# Altium PCB 1VAR_TOP.PcbDoc (part 2 of 4) (continued)
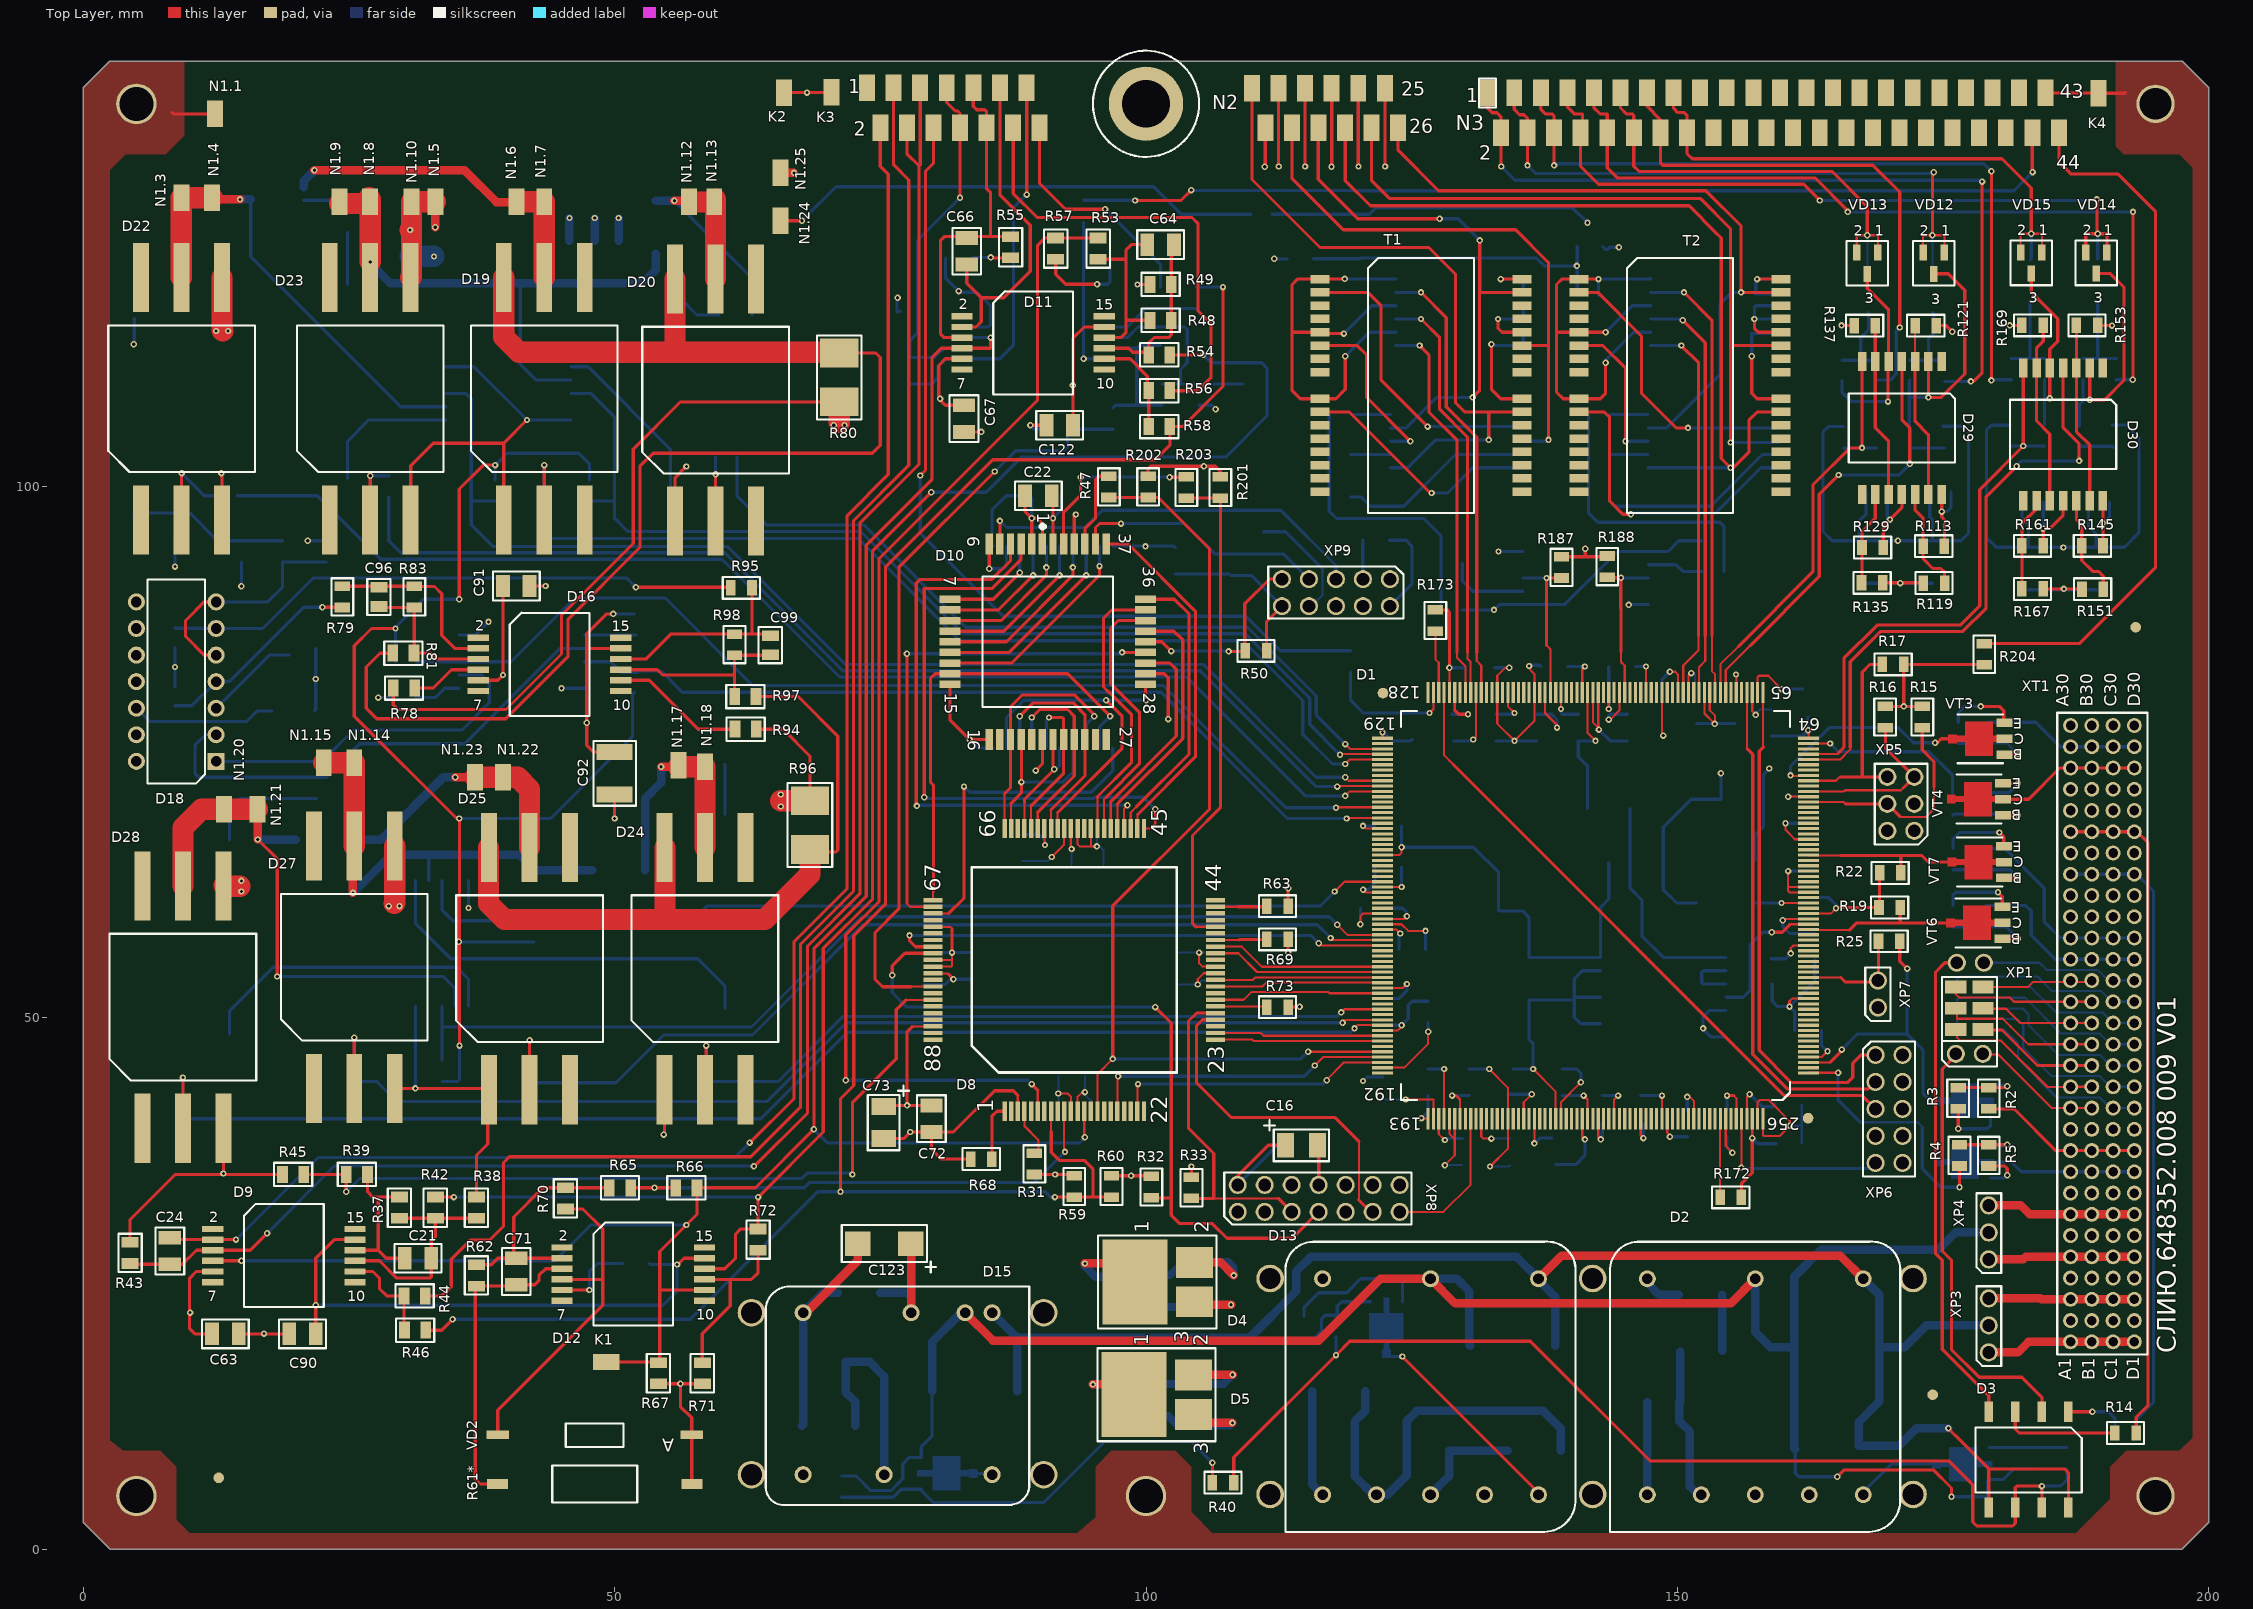
[diagram p0: Top Layer view]
## Nets (pads, with @x,y where several pads share a name; then routed paths per layer and width w, separated by ;. In a path a pad name is that pad's centre, name@x,y a point inside that pad or via, vN(x,y) a via of type N, cw(c..) or ccw(c..) an arc to the next point about the centre after c; other vN are vias at no path point) (continued)
  Top Layer w0.3: v1(85.25,92.25) D10.6@85.25,94.575
  Bottom Layer w0.3: v1(85.25,92.25) 86.625,92.25 86.875,92.5 D14.12@86.875,94.375
AD0_1: D8.67 D10.14 D14.2 | length 43.2
  Top Layer w0.2: D8.67@79.95,61.062 79.95,61.825 80,61.875
  Top Layer w0.3: 80,61.875 80,71.875 79.725,72.15 79.725,81.95 80.15,82.375 D10.14@81.55,82.375 92.625,82.375 v1(96.625,78.375)
  Bottom Layer w0.3: D14.2@95.625,75.375 95.625,77.375 v1(96.625,78.375)
AD1_1: D8.66 D10.18 D14.3 | length 24.2
  Top Layer w0.2: D8.66@86.687,67.8 86.687,71.062
  Top Layer w0.3: 86.687,71.062 87.25,71.625 D10.18@87.25,76.175 87.25,79.25 88.375,80.375 93.25,80.375 95.125,78.5 v1(95.125,78.375)
  Bottom Layer w0.3: D14.3@94.375,75.375 94.375,77.625 v1(95.125,78.375)
AD2_1: D8.65 D10.19 D14.4 | length 16.3
  Top Layer w0.2: D8.65@87.313,67.8 87.313,70.187
  Top Layer w0.3: 87.313,70.187 88.275,71.15 v1(88.275,72.175) 88.275,76.15 D10.19@88.25,76.175
  Bottom Layer w0.3: v1(88.275,72.175) 92.175,72.175 93.125,73.125 D14.4@93.125,75.375
AD3_1: D8.63 D10.22 D14.5 | length 12.1
  Top Layer w0.2: D8.63@88.563,67.8 88.563,70.27
  Top Layer w0.3: 88.563,70.27 88.563,70.563 v1@91.25,73.25 ; D10.22@91.25,76.175 v1@91.25,73.25 ; v1(91.375,73.375) v1@91.25,73.25
  Bottom Layer w0.3: v1(91.375,73.375) 91.375,73.25 91.875,73.75 D14.5@91.875,75.375
AD4_1: D8.62 D10.23 D14.6 | length 16
  Top Layer w0.2: D8.62@89.188,67.8 89.188,69.948
  Top Layer w0.3: 89.188,69.948 92.25,73.01 D10.23@92.25,76.175 92.25,78.125 92.125,78.25 v1(90.875,78.25)
  Bottom Layer w0.3: D14.6@90.625,75.375 90.625,78 v1(90.875,78.25)
AD5_1: D8.61 D10.24 D14.7 | length 19.5
  Top Layer w0.2: D8.61@89.813,67.8 89.813,69.313
  Top Layer w0.3: v1(89.25,78.25) 90,79 92.625,79 93.25,78.375 D10.24@93.25,76.175 93.25,72.75 91.475,70.975 91.441,70.975 89.813,69.347 89.813,69.313
  Bottom Layer w0.3: v1(89.25,78.25) 89.25,75.5 D14.7@89.375,75.375
AD6_1: D8.59 D10.25 D14.8 | length 22.1
  Top Layer w0.2: D8.59@91.063,67.8 91.063,69.562
  Top Layer w0.3: v1(88.125,78.375) 89.375,79.625 93.151,79.625 94.25,78.526 D10.25@94.25,76.175 94.25,72.75 91.063,69.562
  Bottom Layer w0.3: D14.8@88.125,75.375 v1(88.125,78.375)
AD7_1: D8.58 D10.28 D14.9 | length 33.4
  Top Layer w0.2: D8.58@91.688,67.8 91.688,69.313
  Top Layer w0.3: 91.688,69.313 97.75,75.375 97.75,78.375 v1(96.25,79.875) ; D10.28@99.95,81.375 99.95,79.925 v1(100,79.875)
  Bottom Layer w0.3: D14.9@86.875,75.375 86.875,78.25 88.5,79.875 v1(96.25,79.875) v1(100,79.875)
AD8_1: D8.52 D10.35 | length 26.5
  Top Layer w0.2: D8.52@95.437,67.8 95.437,70.688
  Top Layer w0.3: 95.437,70.688 95.437,70.812 98.625,74 98.625,78.561 96.561,80.625 96.5,80.625 96,81.125 96,87.574 96.801,88.375 D10.35@99.95,88.375
AD9_1: D8.51 D10.34 | length 24.9
  Top Layer w0.2: D8.51@96.062,67.8 96.062,70.562 96.25,70.75
  Top Layer w0.3: 96.25,70.75 96.3,70.8 96.3,70.808 99.375,73.883 99.375,78.75 96.65,81.475 96.65,86.625 97.4,87.375 D10.34@99.95,87.375
AD10_1: D8.50 D10.30 | length 23.2
  Top Layer w0.2: D8.50@96.675,67.812 96.675,69.872 ; D8.50@96.687,67.8 96.687,69.885 ; 96.675,69.872 96.687,69.885 ; 96.675,69.872 96.675,70.325 96.687,70.313 96.687,69.885
  Top Layer w0.3: 96.674,70.326 96.9,70.551 96.9,70.559 102.85,76.509 102.85,82.775 102.25,83.375 D10.30@99.95,83.375
AD11_1: D8.49 D10.33 | length 24.1
  Top Layer w0.2: D8.49@97.312,67.8 97.312,70.008
  Top Layer w0.3: 97.312,70.008 97.312,70.115 97.5,70.303 97.5,70.311 103.45,76.261 103.45,85.55 102.625,86.375 D10.33@99.95,86.375
AD12_1: D8.48 D10.4 | length 54.5
  Top Layer w0.2: D8.48@97.937,67.8 97.937,69.687 v1(98.25,70)
  Top Layer w0.3: v1(78.437,69.938) 78.375,70 78.375,90.875 78.75,91.25 85.5,91.25 87.25,93 D10.4@87.25,94.575
  Bottom Layer w0.3: v1(78.437,69.938) 78.5,70 v1(98.25,70)
AD13_1: D8.47 D10.36 | length 27.1
  Top Layer w0.2: D8.47@98.562,67.8 98.562,69.312 99.096,69.846
  Top Layer w0.3: 99.096,69.846 104.05,74.8 104.05,88.001 102.676,89.375 D10.36@99.95,89.375
AD14_1: D8.46 D10.37 | length 33.8
  Top Layer w0.2: D8.46@99.187,67.8 99.187,69.16
  Top Layer w0.3: D10.37@96.25,94.575 98.325,94.575 104.65,88.25 104.65,74.551 99.223,69.124
AD15_1: D8.45 D10.3 | length 56.3
  Top Layer w0.2: D8.45@99.812,67.8 100.425,67.8 100.875,68.25 v1(100.875,69.625)
  Top Layer w0.3: v1(79.125,70.75) 79.125,90.375 85.5,90.375 88.25,93.125 D10.3@88.25,94.575
  Bottom Layer w0.3: v1(79.125,70.75) 79.25,70.625 95.099,70.625 95.224,70.75 99.75,70.75 v1(100.875,69.625)
ADC_MID: D8.8 R36.2 R46.2 R58.2 R59.1 R60.2 | length 193.4
  Top Layer w0.2: D8.8@91.063,41.2 91.078,41.185 91.078,39.297
  Top Layer w0.3: R46.2@32.225,20.6 33.725,20.6 v1(34.75,21.625) ; v1(71.25,33.625) 71.25,42.375 72.5,43.625 72.5,57.697 75.475,60.672 75.475,92.4 85.575,102.5 100.875,102.5 102.25,103.875 R58.2@102.25,105.625 103.45,105.625 107.25,109.425 v1(107.25,118.75) ; 91.078,39.297 91.078,37.35 91.853,36.575 94.2,36.575 95,35.775 95,33.125 ; v1(91.425,33.125) R59.1@93.25,33.125 95,33.125 ; R60.2@96.75,33.125 95,33.125
  Bottom Layer w0.3: v1(34.75,21.625) 57.125,21.625 69.125,33.625 v1(71.25,33.625) 90.53,33.625 91.03,33.125 v1(91.425,33.125) ; R36.2@104.75,118.75 v1(107.25,118.75)
ADDR1: D1.52 R15.1 XP5.4 | length 20.8
  Top Layer w0.2: D1.52@162.35,70.3 165.65,70.3 165.825,70.125 ; 170.93,68.95 171.005,68.875 173.375,68.875 174.15,69.65 174.15,71.725
  Top Layer w0.3: 165.825,70.125 XP5.4@169.755,70.125 170.93,68.95 ; R15.1@173.05,77.3 173.05,75.2 174.15,74.1 174.15,71.725
ADDR2: D1.54 R16.1 XP5.5 | length 16.3
  Top Layer w0.2: D1.54@162.35,71.3 165.675,71.3 165.775,71.4 171.03,71.4 171.25,71.62
  Top Layer w0.3: R16.1@169.55,77.3 169.575,77.275 169.575,75.385 XP5.5@172.295,72.665 171.25,71.62
ADDR3: D1.56 R17.1 XP5.6 | length 19.7
  Top Layer w0.2: D1.56@162.35,72.3 164.925,72.3 165.29,72.665
  Top Layer w0.3: 165.29,72.665 167.51,72.665 ; R17.1@169.3,83.25 168.125,83.25 167.4,82.525 167.4,72.775 167.51,72.665 ; XP5.6@169.755,72.665 167.51,72.665
ALE_1: D8.69 D14.1 | length 31.2
  Top Layer w0.2: D8.69@79.95,59.812 81.438,59.812
  Top Layer w0.3: 81.438,59.812 82.875,61.25 v1(82.875,71.75)
  Bottom Layer w0.3: v1@82.875,71.775 83.425,71.225 94.85,71.225 96.875,73.25 D14.1@96.875,75.375
CASE: C6.1 D2.8 D13.8 K2.1 K3.1 K4.1 N1.1.1 N3.43 pad.mh XT1.30 XT1.60 XT1.90 XT1.120 | length 19.6
  Top Layer w0.3: 8.35,135.175 8.475,135.05 N1.1.1@12.4,135.05 ; K2.1@65.95,137.05 v1(68.1,137.05) 70.375,137.05 K3.1@70.4,137.075 ; N3.43@184.65,137.025 189.6,137.025 K4.1@189.625,137 192.1,137 192.15,137.05
  Bottom Layer w0.8: D2.8@147.175,25.12 147.175,25.05 148.3,23.925 C6.1@150.125,23.925
CLK: D1.33 G1.3 | length 5
  Top Layer w0.2: v1(159.799,60.8) D1.33@162.35,60.8
  Bottom Layer w0.3: G1.3@157.3,60.8 v1(159.799,60.8)
CLKCPU: D1.168 D8.74 | length 47.8
  Top Layer w0.2: v1(116.25,57) 116.45,56.8 D1.168@122.25,56.8
  Top Layer w0.3: v1(77.75,57.75) 77.75,57.25 78.313,56.687 D8.74@79.95,56.687
  Bottom Layer w0.3: v1(77.75,57.75) 115.5,57.75 v1(116.25,57)
DBGNMI: D8.75 R32.2 XP8.7 | length 70
  Top Layer w0.3: v1(76.125,54) 76.125,54.875 77.312,56.062 D8.75@79.95,56.062 ; R32.2@100.5,33.025 102.375,33.025 ; v1(100.875,51) 102.375,49.5 102.375,33.025 ; XP8.7@116.25,31.73 116.23,31.73 113.75,29.25 107.625,29.25 106.25,30.625 103.175,30.625 102.375,31.425 102.375,33.025
  Bottom Layer w0.3: v1(76.125,54) 76.125,52.375 77.5,51 v1(100.875,51)
DBGRXD0: D8.27 R33.2 XP8.5 | length 30.5
  Top Layer w0.2: 106.375,33 112.44,33
  Top Layer w0.3: R33.2@104.275,33 106.375,33 106.375,37.225 104,39.6 104,49.688 104.75,50.438 D8.27@106.55,50.438 ; 112.44,33 XP8.5@113.71,31.73
DBGTXD0: D8.26 XP8.11 | length 32.3
  Top Layer w0.2: 120,32.875 120.04,32.915 120.04,38.335 120.012,38.363
  Top Layer w0.3: D8.26@106.55,49.813 105.312,49.813 104.75,49.25 104.75,43.875 108,40.625 117.75,40.625 120.012,38.363 ; 120,32.875 121.145,31.73 XP8.11@121.33,31.73
DIR1: D1.28 R19.2 VT6.C | length 20
  Top Layer w0.2: D1.28@162.35,58.3 162.4,58.25 166.2,58.25 166.225,58.275
  Top Layer w0.3: 166.225,58.275 166.875,58.925 170.975,58.925 ; R19.2@170.975,60.375 170.975,58.925 ; VT6.C@180.58,58.925 170.975,58.925
DIR2: D1.42 R22.2 VT7.C | length 20.3
  Top Layer w0.2: D1.42@162.35,65.3 162.375,65.275 165.375,65.275
  Top Layer w0.3: 165.375,65.275 171.075,65.275 ; R22.2@171.025,63.625 171.025,65.225 171.075,65.275 ; VT7.C@180.73,64.65 173.6,64.65 172.975,65.275 171.075,65.275
FOUT1: D1.132 D21.11 R88.1 | length 99.9
  Top Layer w0.2: v1(118.25,74.75) 118.3,74.8 D1.132@122.25,74.8
  Bottom Layer w0.3: D21.11@45.9,108.75 47.75,108.75 50,106.5 50,98.75 ; R88.1@47.625,98.625 49.875,98.625 50,98.75 ; v1(118.25,74.75) 115.4,77.6 115.4,80.049 109.324,86.125 82.794,86.125 73.169,95.75 51.25,95.75 50,97 50,98.75
FOUT2: D1.137 D21.4 R89.1 | length 112.5
  Top Layer w0.2: v1(118.75,72.625) 119.075,72.3 D1.137@122.25,72.3
  Bottom Layer w0.3: D21.4@34.1,108.75 36,108.75 36.5,108.25 36.5,98.625 ; R89.1@38.75,98.625 36.5,98.625 ; v1(118.75,72.625) 115.997,72.625 105.372,83.25 71.7,83.25 60.6,94.35 38.525,94.35 36.5,96.375 36.5,98.625
FOUT3: D1.166 D26.11 R104.1 | length 98.6
  Top Layer w0.2: v1(118,58.75) 118.95,57.8 D1.166@122.25,57.8
  Bottom Layer w0.3: R104.1@33.75,46 33.75,49.125 ; D26.11@33.75,51.1 33.75,49.125 ; v1(118,58.75) 117.25,59.5 73.25,59.5 62.875,49.125 33.75,49.125
FOUT4: D1.156 D26.4 R103.1 | length 93.2
  Top Layer w0.2: v1(117.75,61.875) 118.675,62.8 D1.156@122.25,62.8
  Bottom Layer w0.3: D26.4@33.75,62.9 33.75,60.15 34.775,59.125 R103.1@42.4,59.125 57.275,59.125 58.65,60.5 116.375,60.5 v1(117.75,61.875)
GND: C3.minus C4.1 C5.2 C7.minus C8.1 C9.minus C10.minus C11.1 C12.minus C13.2 C14.1 C15.1 C16.minus C17.1 C20.2 C22.1 C23.minus C25.1 C26.1 C27.1 C28.1 C29.1 C30.1 C31.1 C32.1 C33.1 C34.1 C35.1 C36.1 C37.1 C38.1 C39.1 C40.1 C41.1 C42.1 C43.1 C44.1 C45.1 C46.1 C47.1 C48.1 C49.1 C50.1 C51.1 C52.1 C53.1 C54.1 C55.1 C56.1 C57.1 C58.1 C59.1 C60.1 C61.1 C62.2 C63.2 C67.2 C70.1 C72.1 C73.minus C74.2 C75.2 C76.2 C77.minus C78.2 C79.minus C80.2 C81.minus C82.2 C83.minus C84.1 C85.minus C87.2 C88.plus C89.1 C90.1 C100.1 C102.1 C104.1 C106.1 C108.1 C110.1 C112.1 C114.1 C120.1 C121.1 C122.1 D1.15 D1.35 D1.36 D1.45 D1.64 D1.75 D1.76 D1.84 D1.87 D1.96 D1.97 D1.98 D1.108 D1.115 D1.119 D1.129 D1.146 D1.157 D1.162 D1.164 D1.176 D1.196 D1.197 D1.198 D1.208 D1.217 D1.218 D1.222 D1.228 D1.237 D1.238 D1.249 D1.255 D1.256 D2.2 D4.3 D5.3 D6.5 D6.7 D6.9 D6.11 D6.13 D8.3 D8.12 D8.34 D8.53 D8.55 D8.57 D8.71 D8.76 D8.77 D10.1 D10.2 D10.15 D10.16 D10.21 D10.29 D10.40 D12.6 D13.2 D14.10 D14.11 D17.6 D17.13 D19.1 D20.1 D21.6 D21.13 D22.3 D23.3 D24.1 D25.1 D26.6 D26.13 D27.3 D28.3 D34.6 D34.13 G1.2 N1.25.1 N3.3 N3.4 N3.7 N3.8 N3.11 N3.12 N3.15 N3.16 R3.1 R5.2 R8.1 R10.2 R21.1 R24.1 R27.1 R30.2 R32.1 R33.1 R35.1 R38.1 R43.2 R45.1 R49.1 R50.1 R51.1 R52.1 R55.2 R57.1 R60.1 R61*.1 R63.2 R67.2 R68.1 R71.2 R73.1 R119.1 R135.1 R151.1 R167.1 VD2.A VD12.1 VD12.2 VD13.1 VD13.2 VD14.1 VD14.2 VD15.1 VD15.2 VT1.E VT2.E VT3.E VT4.E VT6.E VT7.E XP5.1 XP5.2 XP5.3 XP6.2 XP6.10 XP7.1 XP8.6 XP8.8 XP8.10 XP8.12 XP8.14 XP9.2 XP9.4 XP9.6 XP9.8 XP9.10 XT1.21 XT1.27 XT1.51 XT1.57 XT1.81 XT1.87 XT1.111 XT1.117 | length 938.2
  Top Layer w0.2: D8.77@79.95,54.812 81.687,54.812 81.75,54.875 81.75,55.437 ; D8.76@79.95,55.437 81.75,55.437 ; D8.71@79.95,58.562 79.965,58.547 81.578,58.547 81.75,58.375 ; v1(81.75,56.125) 81.75,55.437 ; D8.3@87.938,41.2 87.938,42.687 ; v1(91.125,65.125) 92.3,66.3 92.3,67.787 D8.57@92.313,67.8 ; D8.12@93.562,41.2 93.562,42.562 94,43 v1(94.25,43) ; D8.55@93.562,67.8 93.562,66.313 93.75,66.125 94.85,66.125 ; D8.53@94.812,67.8 94.812,66.163 94.85,66.125 ; v1(95.375,66.125) 94.85,66.125 ; v1(105,56.125) 105,55.125 105.298,54.828 106.535,54.828 D8.34@106.55,54.812 ; v1(120.175,58.8) 120.175,59.55 120.425,59.8 D1.162@122.25,59.8 ; v1(120.425,68.05) 120.675,67.8 D1.146@122.25,67.8 ; D1.176@122.25,52.8 124.175,52.8 v1(124.55,53.175) ; D1.164@122.25,58.8 124.038,58.8 124.663,58.175 v1(126.3,58.175) ; D1.157@122.25,62.3 v1(124.05,62.3) ; D1.129@122.25,76.3 v1(122.25,76.85) ; D1.196@128.05,40.5 v1(128.05,45.175) ; v1(128.125,36.125) 129.05,37.05 129.05,38.575 ; D1.197@128.55,40.5 128.55,39.075 129.05,38.575 ; D1.198@129.05,40.5 129.05,38.575 ; v1(130.8,76.175) 131.05,76.425 D1.119@131.05,80.6 ; v1(132.3,45.175) 134.05,43.425 D1.208@134.05,40.5 134.05,37.675 v1(132.375,36) ; v1(134.175,82.925) 133.8,82.925 133.05,82.175 133.05,77.675 v1(134.675,76.05) 136.55,77.925 136.55,82.35 135.926,82.974 v1(136.051,83.099) ; v1(136.425,45.175) 138.55,43.05 D1.217@138.55,40.5 ; D1.218@139.05,40.5 139.05,42.05 v1(140.925,43.925) ; D1.222@141.05,40.5 141.05,38.8 v1(141.3,38.55) ; D1.98@141.55,80.6 141.55,76.8 v1(142.3,76.05) ; D1.97@142.05,80.6 142.05,77.8 v1@142.55,77.3 ; D1.96@142.55,80.6 v1@142.55,77.3 ; v1(142.612,77.112) 142.55,77.175 v1@142.55,77.3 ; D1.228@144.05,40.5 144.05,42.3 v1(144.425,42.675) ; D1.87@147.05,80.6 v1(147.05,83.05) ; D1.237@148.55,40.5 v1(148.55,42.675) ; D1.84@148.55,80.6 148.55,76.675 v1(148.675,76.55) ; D1.238@149.05,40.5 149.05,39.175 149.301,38.924 v1(149.301,38.8) ; D1.76@152.55,80.6 152.55,78.625 v1(153.525,77.65) 153.525,78.45 153.05,78.925 D1.75@153.05,80.6 ; D1.249@154.55,40.5 154.55,37.925 v1(155.175,37.3) ; D1.255@157.55,40.5 157.55,42.05 157.775,42.275 158.575,42.275 160.587,40.263 v1(160.587,39.837) 159.625,38.875 158.125,38.875 158.05,38.95 D1.256@158.05,40.5 ; v1(160.175,68.3) 160.175,67.675 161.05,66.8 D1.45@162.35,66.8 ; v1(160.425,63.8) 160.425,62.3 ; 160.55,51.55 160.8,51.8 D1.15@162.35,51.8 ; D1.35@162.35,61.8 160.55,61.8 160.425,61.925 160.425,62.3 ; D1.36@162.35,62.3 160.425,62.3 ; D1.64@162.35,76.3 v1@162.35,77 ; VD13.2@166.875,122 166.875,123.625 v1(167.875,123.625) 168.875,123.625 VD13.1@168.875,122 ; VD12.2@173.125,122 173.125,123.625 v1(174,123.625) 175.125,123.625 VD12.1@175.125,122 ; VD15.2@182.3,122.025 182.3,123.775 v1(183.3,123.775) 184.3,123.775 VD15.1@184.3,122.025
  Top Layer w0.3: R43.2@4.4,28.875 4.4,31 8.65,35.25 v1@13.275,35.25 ; v1(13,101.25) 13.06,101.19 D22.3@13.06,96.85 ; D28.3@13.185,39.6 v1(13.185,35.34) v1@13.275,35.25 ; C63.2@14.625,20.25 C90.1@19.375,20.25 ; R45.1@18.75,35.25 v1@13.275,35.25 ; D27.3@29.31,43.35 38.065,43.35 38.065,38.115 37,37.05 R38.1@37,33.125 ; D23.3@30.81,96.85 30.81,101.935 32.94,104.065 39.565,104.065 ; D19.1@39.565,96.85 39.565,104.065 ; v1(41.75,106.25) 39.565,104.065 ; D12.6@45.05,24.375 v1(47.625,24.375) ; R67.2@54.125,15.55 v1(56.188,15.55) ; v1(54.625,39) 54.69,39.065 D24.1@54.69,43.225 ; D20.1@55.69,96.725 55.69,100.815 v1(56.75,101.875) ; R61*.1@57.275,6.125 57.25,6.15 VD2.A@57.25,10.75 57.25,12.35 56.188,13.413 v1(56.188,15.55) ; R71.2@58.25,15.55 v1(56.188,15.55) ; C73.minus@75.313,38.625 77.188,38.625 v1(77.812,39.25) C72.1@79.812,39.25 ; D10.15@81.55,81.375 81.55,78.025 v1(83.4,76.175) D10.16@85.25,76.175 ; v1(81.75,56.125) 81.75,58.375 ; C67.2@82.875,105.125 v1(84.5,105.125) ; R68.1@83.5,36.7 80.75,36.7 79.812,37.637 C72.1@79.812,39.25 ; v1(85.4,121.55) 85.45,121.5 R55.2@87.25,121.5 ; 87.938,42.687 87.5,43.125 85.75,43.125 81.875,39.25 C72.1@79.812,39.25 ; C22.1@88.625,99.125 88.625,97.625 v1(89.25,97) ; v1(89.125,105.75) C122.1@90.625,105.75 ; D10.2@89.25,94.575 v1(89.25,97) ; v1(89.625,73.25) 90.25,73.875 D10.21@90.25,76.175 ; D10.1@90.25,94.575 90.25,96.5 89.75,97 v1(89.25,97) ; R57.1@91.5,121.375 91.5,119.975 92.45,119.025 v1(95.4,119.025) ; D10.40@93.25,94.575 93.25,97.2 v1(93.4,97.35) ; R60.1@96.75,35.125 v1(98.6,35.125) 100.45,35.125 R32.1@100.5,35.075 ; v1(99.2,119) R49.1@100.375,119 ; D10.29@99.95,82.375 101.725,82.375 102.1,82 v1(102.1,78.1) ; R33.1@104.275,35 v1(104.275,36) ; R50.1@111.35,84.525 111.35,87.285 XP9.10@112.795,88.73 ; R73.1@113.375,51 114.425,51 v1(114.45,51.025) ; R63.2@113.375,60.5 113.375,62.15 v1(113.4,62.175) ; C16.minus@116.125,38 116.25,37.875 XP8.8@116.25,34.27 ; N3.3@134.65,137.025 134.65,135.475 135.15,134.975 135.55,134.975 135.9,134.625 N3.4@135.9,133.275 v1(135.9,130.2) ; N3.7@139.65,137.025 139.65,135.725 140.35,135.025 141.075,135.025 141.075,133.45 N3.8@140.9,133.275 140.9,130.1 142.575,128.425 161.9,128.425 163.4,126.925 v1(163.4,126.9) ; N3.11@144.65,137.025 144.65,135.6 145.2,135.05 145.75,135.05 145.9,134.9 N3.12@145.9,133.275 145.9,130.125 146.4,129.625 164.575,129.625 167.875,126.325 v1(167.875,123.625) ; N3.15@149.65,137.025 149.65,135.575 150.05,135.175 150.65,135.175 150.9,134.925 N3.16@150.9,133.275 150.9,131.325 151.4,130.825 180.55,130.825 183.3,128.075 v1(183.3,123.775) ; v1(160.55,51.05) 160.55,51.55 ; v1(162.3,77.05) v1@162.35,77 ; R135.1@169.325,90.925 173.125,90.925 R119.1@173.15,90.9 ; v1(174,123.625) 174,129.425 v1(174.125,129.55) ; v1(176.425,39.55) R3.1@176.425,41.425 ; v1(178.55,79.3) 180.3,79.3 180.705,78.895 VT3.E@180.705,77.8 ; R5.2@179.3,36.05 180.8,36.05 181.05,35.8 v1(181.05,35.175) ; v1(180.175,61.8) 180.58,61.395 VT6.E@180.58,60.425 ; v1(180.3,67.425) 180.705,67.02 VT7.E@180.705,66.175 ; VT4.E@180.705,72.05 v1(182.05,72.05) ; R167.1@184.425,90.35 v1(186.375,90.35) 188.05,90.35 R151.1@188.075,90.325 ; VD14.2@188.425,122.025 188.425,123.775 v1(189.55,123.775) ; v1(189.475,127) 189.475,123.85 v1(189.55,123.775) ; VD14.1@190.425,122.025 190.425,123.775 v1(189.55,123.775)
  Top Layer w0.5: D5.3@104.475,12.675 D5.3@104.55,12.75 ; D4.3@104.55,23.275 D4.3@104.825,23
  Top Layer w0.8: N1.25.1@65.625,129.5 v1(66.875,129.5) ; D5.3@104.55,12.75 105.425,11.875 v1(108.125,11.875) ; D4.3@104.825,23 v1(108,23)
  Bottom Layer w0.2: C78.2@88.35,64.75 90.75,64.75 v1(91.125,65.125) ; C75.2@94.25,44.5 v1(94.25,43) 94.25,42.75 94.875,42.125 C77.minus@94.875,40.75 ; C82.2@95.375,68.25 v1(95.375,66.125) 95.625,66.125 96,65.75 C83.minus@96,64.375 ; C81.minus@103,56.125 v1(105,56.125) C76.2@107,56.125 ; XP9.8@115.335,88.73 115.585,88.73 116.605,89.75 116.605,91.838 ; v1(128.125,36.125) C60.1@129.75,36.125 ; v1(132.375,36) 134.125,36 C36.1@134.25,36.125 ; C45.1@148.55,77.675 148.55,76.55 148.675,76.425 v1(148.675,76.55) ; v1(160.587,39.837) 161.687,39.837 161.7,39.825 ; C61.1@161.7,41.85 161.7,39.825 ; C55.1@161.775,38.15 161.7,38.225 161.7,39.825 ; v1(167.875,123.625) 167.875,120.5 C106.1@168,120.375 ; C102.1@174,120.375 v1(174,123.625) ; C114.1@183.175,121.275 C114.1@183.3,121.4
  Bottom Layer w0.3: v1(31.25,43.35) D26.13@31.25,51.1 ; D21.6@34.1,111.25 36.75,111.25 v1(41.75,106.25) D21.13@45.9,106.25 ; D17.13@35.35,86 36.875,86 v1(38.125,87.25) ; v1(36.25,60.325) D26.6@36.25,62.9 ; v1(45,81) D17.6@47.15,81 D17.6@47.2,81.05 ; v1(47.625,24.375) 47.625,26.125 48.375,26.875 C74.2@50.75,26.875 ; R30.2@76.575,116.425 76.575,117.7 v1(76.625,117.75) ; R30.2@76.8,116.425 R30.2@76.875,116.5 ; C79.minus@79.125,56.125 v1(81.75,56.125) C80.2@83.625,56.125 ; v1(83.4,76.175) 84.2,75.375 D14.10@85.625,75.375 ; C20.2@83.675,121.55 v1(85.4,121.55) ; D14.11@85.625,94.375 85.5,94.5 85.5,97.775 86.85,99.125 C23.minus@89,99.125 89.25,98.875 v1(89.25,97) ; v1(89.125,105.75) 89.5,105.375 R35.1@90.625,105.375 ; v1(95.4,119.025) 96.375,119.025 96.625,119.275 C89.1@96.625,121.375 ; C70.1@102.75,91.75 107.85,91.75 R51.1@107.975,91.625 109.9,91.625 XP9.10@112.795,88.73 ; R27.1@105,107.625 106.175,107.625 v1(106.55,107.25) ; R52.1@111.05,95.725 113.125,95.725 116.605,92.245 116.605,91.838 ; v1(112.075,121.425) 112.1,121.4 C121.1@113.3,121.4 ; XP8.8@116.25,34.27 C17.1@116.25,38.125 ; v1(120.175,58.8) C33.1@120.175,60.3 ; v1(120.425,68.05) C49.1@121.55,68.05 ; C51.1@122.175,51.8 123.8,51.8 124.55,52.55 v1(124.55,53.175) ; v1(122.25,76.85) 122.3,76.9 123.15,76.05 124.925,76.05 C58.1@125.05,76.175 ; C62.2@122.9,94.925 124.475,94.925 125.025,94.375 125.025,90.8 XP9.2@122.955,88.73 ; v1(124.05,62.3) C50.1@124.05,64.175 ; C34.1@126.3,56.425 v1(126.3,58.175) ; C59.1@126.55,45.175 v1(128.05,45.175) ; C32.1@128.925,76.05 130.675,76.05 v1(130.8,76.175) ; C35.1@130.425,45.175 v1(132.3,45.175) ; C48.1@132.8,82.925 v1(134.175,82.925) ; C31.1@132.925,76.05 v1(134.675,76.05) C30.1@136.8,76.05 ; v1(133.175,93.875) D34.6@135.475,93.875 ; C37.1@134.55,45.175 v1(136.425,45.175) 136.425,47.55 136.05,47.925 136.05,51.675 140.3,51.675 ; v1(135.9,130.2) 136.65,129.45 174.025,129.45 v1(174.125,129.55) ; v1(136.051,83.099) 136.051,83.176 137.048,83.176 C46.1@137.174,83.05 ; C52.1@138.55,36.175 140.425,36.175 141.3,37.05 v1(141.3,38.55) ; C38.1@139.175,45.175 140.55,45.175 140.925,44.8 v1(140.925,43.925) ; C14.1@141.55,69.675 141.55,73.675 140.675,74.55 C47.1@140.675,76.05 v1(142.3,76.05) ; v1(142.612,77.112) 143.675,76.05 C28.1@145.3,76.05 ; D6.9@142.775,49.425 140.925,49.425 140.3,50.05 140.3,51.675 ; D6.11@142.775,51.925 140.3,51.925 ; D6.13@142.775,54.425 141.05,54.425 140.3,53.675 140.3,51.925 ; C53.1@142.925,42.675 v1(144.425,42.675) ; C120.1@143,122.55 143.275,122.275 143.4,122.275 143.625,122.5 v1(144.5,122.5) ; v1(145.425,88.85) 145.45,88.875 D34.13@147.275,88.875 ; C29.1@146.05,83.05 146.925,83.05 147.05,82.925 v1(147.05,83.05) ; C54.1@146.55,42.675 v1(148.55,42.675) ; v1(149.301,38.8) C39.1@150.925,38.8 ; C27.1@151.8,77.675 C26.1@155.425,77.675 ; D6.7@154.575,48.175 153.175,48.175 152.425,48.925 v1(152.425,49) 152.425,50.1 153,50.675 D6.5@154.575,50.675 ; C40.1@154.675,38.8 154.675,37.8 v1(155.175,37.3) ; G1.2@157.3,64.8 157.3,67.175 158.1,67.975 C15.1@158.1,70.55 158.1,72.873 158.65,73.423 v1(158.65,73.45) ; C57.1@158.875,76.5 161.75,76.5 v1(162.3,77.05) C56.1@162.3,78.3 ; C42.1@158.925,53.175 158.925,51.55 159.425,51.05 v1(160.55,51.05) ; v1(160.175,68.3) C44.1@162.425,68.3 ; v1(160.425,63.8) C43.1@162.925,63.8 ; C41.1@161.05,48.8 161.05,50.55 v1(160.55,51.05) ; C25.1@162.925,55.425 162.925,53.425 v1(160.55,51.05) ; v1(163.4,126.9) 189.375,126.9 v1(189.475,127) ; C104.1@167.125,90.875 C100.1@174,90.875 ; R21.1@175.925,60.55 175.925,61.55 176.175,61.8 v1(180.175,61.8) ; R24.1@175.925,65.925 175.925,66.8 176.55,67.425 v1(180.3,67.425) ; v1(176.425,39.55) 179.175,39.55 179.455,39.83 VT1.E@179.455,40.675 ; R8.1@176.425,77.8 176.425,78.675 177.05,79.3 v1(178.55,79.3) ; R10.2@179.05,71.175 181.175,71.175 v1(182.05,72.05) ; VT2.E@179.455,34.925 180.8,34.925 v1(181.05,35.175) ; C112.1@183.05,90.275 C108.1@189.425,90.275 ; C114.1@183.3,121.4 v1(183.3,123.775) ; C110.1@189.55,121.4 v1(189.55,123.775) ; 140.3,51.675 140.3,51.925
  Bottom Layer w0.75: C12.minus@96.875,12.5 C12.minus@96.9,12.525 C10.minus@100.775,12.525 102.1,12.525 103,11.625 C11.1@105.375,11.625 107.875,11.625 v1(108.125,11.875) ; C9.minus@97.025,22.775 100.525,22.775 102.9,22.775 103.125,23 v1(108,23)
  Bottom Layer w0.8: C85.minus@120.625,14.875 120.625,13 119.625,12 C84.1@119.625,9.25 119.625,6.875 121.385,5.115 D13.2@121.695,5.115 122.74,5.115 124.525,6.9 C87.2@124.525,9.275 124.525,12.025 125.5,13 137.375,13 139.025,11.35 C88.plus@139.025,9.275 ; C5.2@150.25,18.55 150.25,13.875 C3.minus@150.175,13.8 150.175,12.05 151.175,11.05 C4.1@151.175,9.05 151.175,5.88 152.097,4.958 D2.2@152.255,4.8
  other v1: 17,20.275 170.975,90.9
INH_ON: D3.6 D3.7 R12.1 R40.2 R75.1 | length 103.1
  Top Layer w0.3: R40.2@108.25,6.25 108.25,8.625 v1(117.875,18.25) 119.175,19.55 136.175,19.55 147.425,8.3 175.55,8.3 177.8,6.05 177.8,2.55 178.175,2.175 181.55,2.175 181.8,2.425 D3.6@181.8,3.925 181.8,5.8 181.925,5.925 v1(184.3,5.925) D3.7@184.3,3.925
  Bottom Layer w0.3: v1(117.875,18.25) R75.1@117.875,20 ; v1(184.3,5.925) 186.05,5.925 186.675,6.55 R12.1@186.675,7.55
IZ12: D1.142 D17.11 R77.1 | length 101.6
  Top Layer w0.2: v1(117.875,69.75) 117.925,69.8 D1.142@122.25,69.8 D1.142@122.25,69.753
  Bottom Layer w0.3: R77.1@31.375,83.5 D17.11@35.35,83.5 40.25,83.5 46.25,89.5 54.75,89.5 63,81.25 101.649,81.25 113.149,69.75 v1(117.875,69.75)
IZ34: D1.144 D17.4 R93.1 | length 81.5
  Top Layer w0.2: v1(118.875,68.75) 118.925,68.8 D1.144@122.25,68.8
  Bottom Layer w0.3: D17.4@47.15,83.5 49.625,83.5 50.625,82.5 R93.1@52.125,82.5 ; R93.1@51.875,82.625 54.375,82.625 56.375,80.625 101.425,80.625 113.3,68.75 v1(118.875,68.75)
M12V: C69.1 C91.1 C94.2 C124.minus D15.6 D16.6 D18.12 | length 44.5
  Top Layer w0.3: D16.6@37.05,81.75 D16.6@37.175,81.75 39,81.75 v1(39.5,82.25) C91.1@39.5,90.625
  Bottom Layer w0.3: D18.12@5,79.125 6.25,77.875 15.375,77.875 16.375,78.875 C94.2@17.75,78.875
  Bottom Layer w0.8: C124.minus@72.625,11.625 72.625,13.875 71.75,14.75 C69.1@71.75,17.625 73.985,17.625 75.355,16.255 D15.6@75.355,7.005
M27V: D22.4 D23.4 D27.4 D28.4 N1.5.1 N1.10.1 N1.16.1 N2.16 N2.17 N2.19 N2.21 N2.23 N2.25 | length 67
  Top Layer w0.3: v1(111.175,130.075) 111.225,130.075 N2.16@111.225,133.725 ; N2.17@112.475,137.475 112.475,130.125 v1(112.5,130.1) ; v1(114.975,130.1) N2.19@114.975,137.475 ; v1@117.45,130.025 117.475,130.05 N2.21@117.475,137.475 ; N2.23@119.975,137.475 119.975,130.125 v1(120,130.1) ; N2.25@122.475,137.475 122.475,130.125 v1(122.5,130.1)
  Top Layer w0.8: D28.4@13.185,62.4 D28.4@13.235,62.45 ; v1(33.125,124.375) N1.5.1@33.125,126.775
  Top Layer w2: D22.4@13.06,119.65 13.06,114.69 13.125,114.625 ; D28.4@13.235,62.45 13.31,62.375 14.75,62.375 ; 29.25,60.75 29.31,60.81 D27.4@29.31,66.15 ; v1(30.75,124.125) v1@30.875,124.125 ; D23.4@30.81,119.65 30.875,119.715 v1@30.875,124.125 ; N1.5.1@33.125,126.775 N1.10.1@30.875,126.775 v1@30.875,124.125
  Bottom Layer w2: N1.16.1@30.75,121.65 32.975,121.65 v1(33,121.625)
  other v1: 28.75,60.5 29.75,60.5 14.875,61.875 14.875,62.875 12.5,114.625 13.625,114.625 117.45,130.075
MISO: D1.186 D8.23 | length 15.8
  Top Layer w0.2: D8.23@106.55,47.938 110,47.938 110.138,47.8 D1.186@122.25,47.8
MOSI: D1.190 D8.21 | length 26.5
  Top Layer w0.2: D8.21@99.187,41.2 99.187,43.562 99.25,43.625 v1(99.25,43.75) ; v1(117,44.125) 117,44.175 118.625,45.8 D1.190@122.25,45.8
  Bottom Layer w0.3: v1(99.25,43.75) 116.625,43.75 v1(117,44.125)
NetC5_1: C5.1 C6.2 | length 5.4
  Bottom Layer w0.3: C5.1@154.225,18.675 C5.1@154.35,18.55
  Bottom Layer w0.8: C5.1@154.225,18.675 C6.2@154.225,23.925
NetC14_2: C14.2 D6.1 R18.1 VD1.Plus | length 21.2
  Bottom Layer w0.3: C14.2@145.55,69.675 145.55,62.175 146.675,61.05 VD1.Plus@146.675,60.05 146.675,57.675 148.675,55.675 D6.1@154.575,55.675
NetC18_1: C18.1 D7.12 R26.1 R27.2 R29.2 | length 21
  Bottom Layer w0.3: D7.12@96.45,114 98.25,114 99.25,115 103.625,115 103.875,114.75 C18.1@103.875,113.25 103.875,111.625 103.25,111 103.25,109.625 ; R26.1@101.5,109.625 103.25,109.625 ; R29.2@109.125,109.625 R27.2@105,109.625 103.25,109.625
NetC18_2: C18.2 D7.13 R26.2 R28.2 | length 15.1
  Bottom Layer w0.3: D7.13@96.45,113 99.125,113 ; R28.2@96.875,107.375 97.125,107.625 99.125,107.625 ; C18.2@101.375,113.25 99.375,113.25 99.125,113 ; R26.2@101.5,107.625 99.125,107.625 ; 99.125,107.625 99.125,113